# Altium PCB CRD25DA12N-FMC V2 (09-2024).PcbDoc (part 4 of 6) (continued)
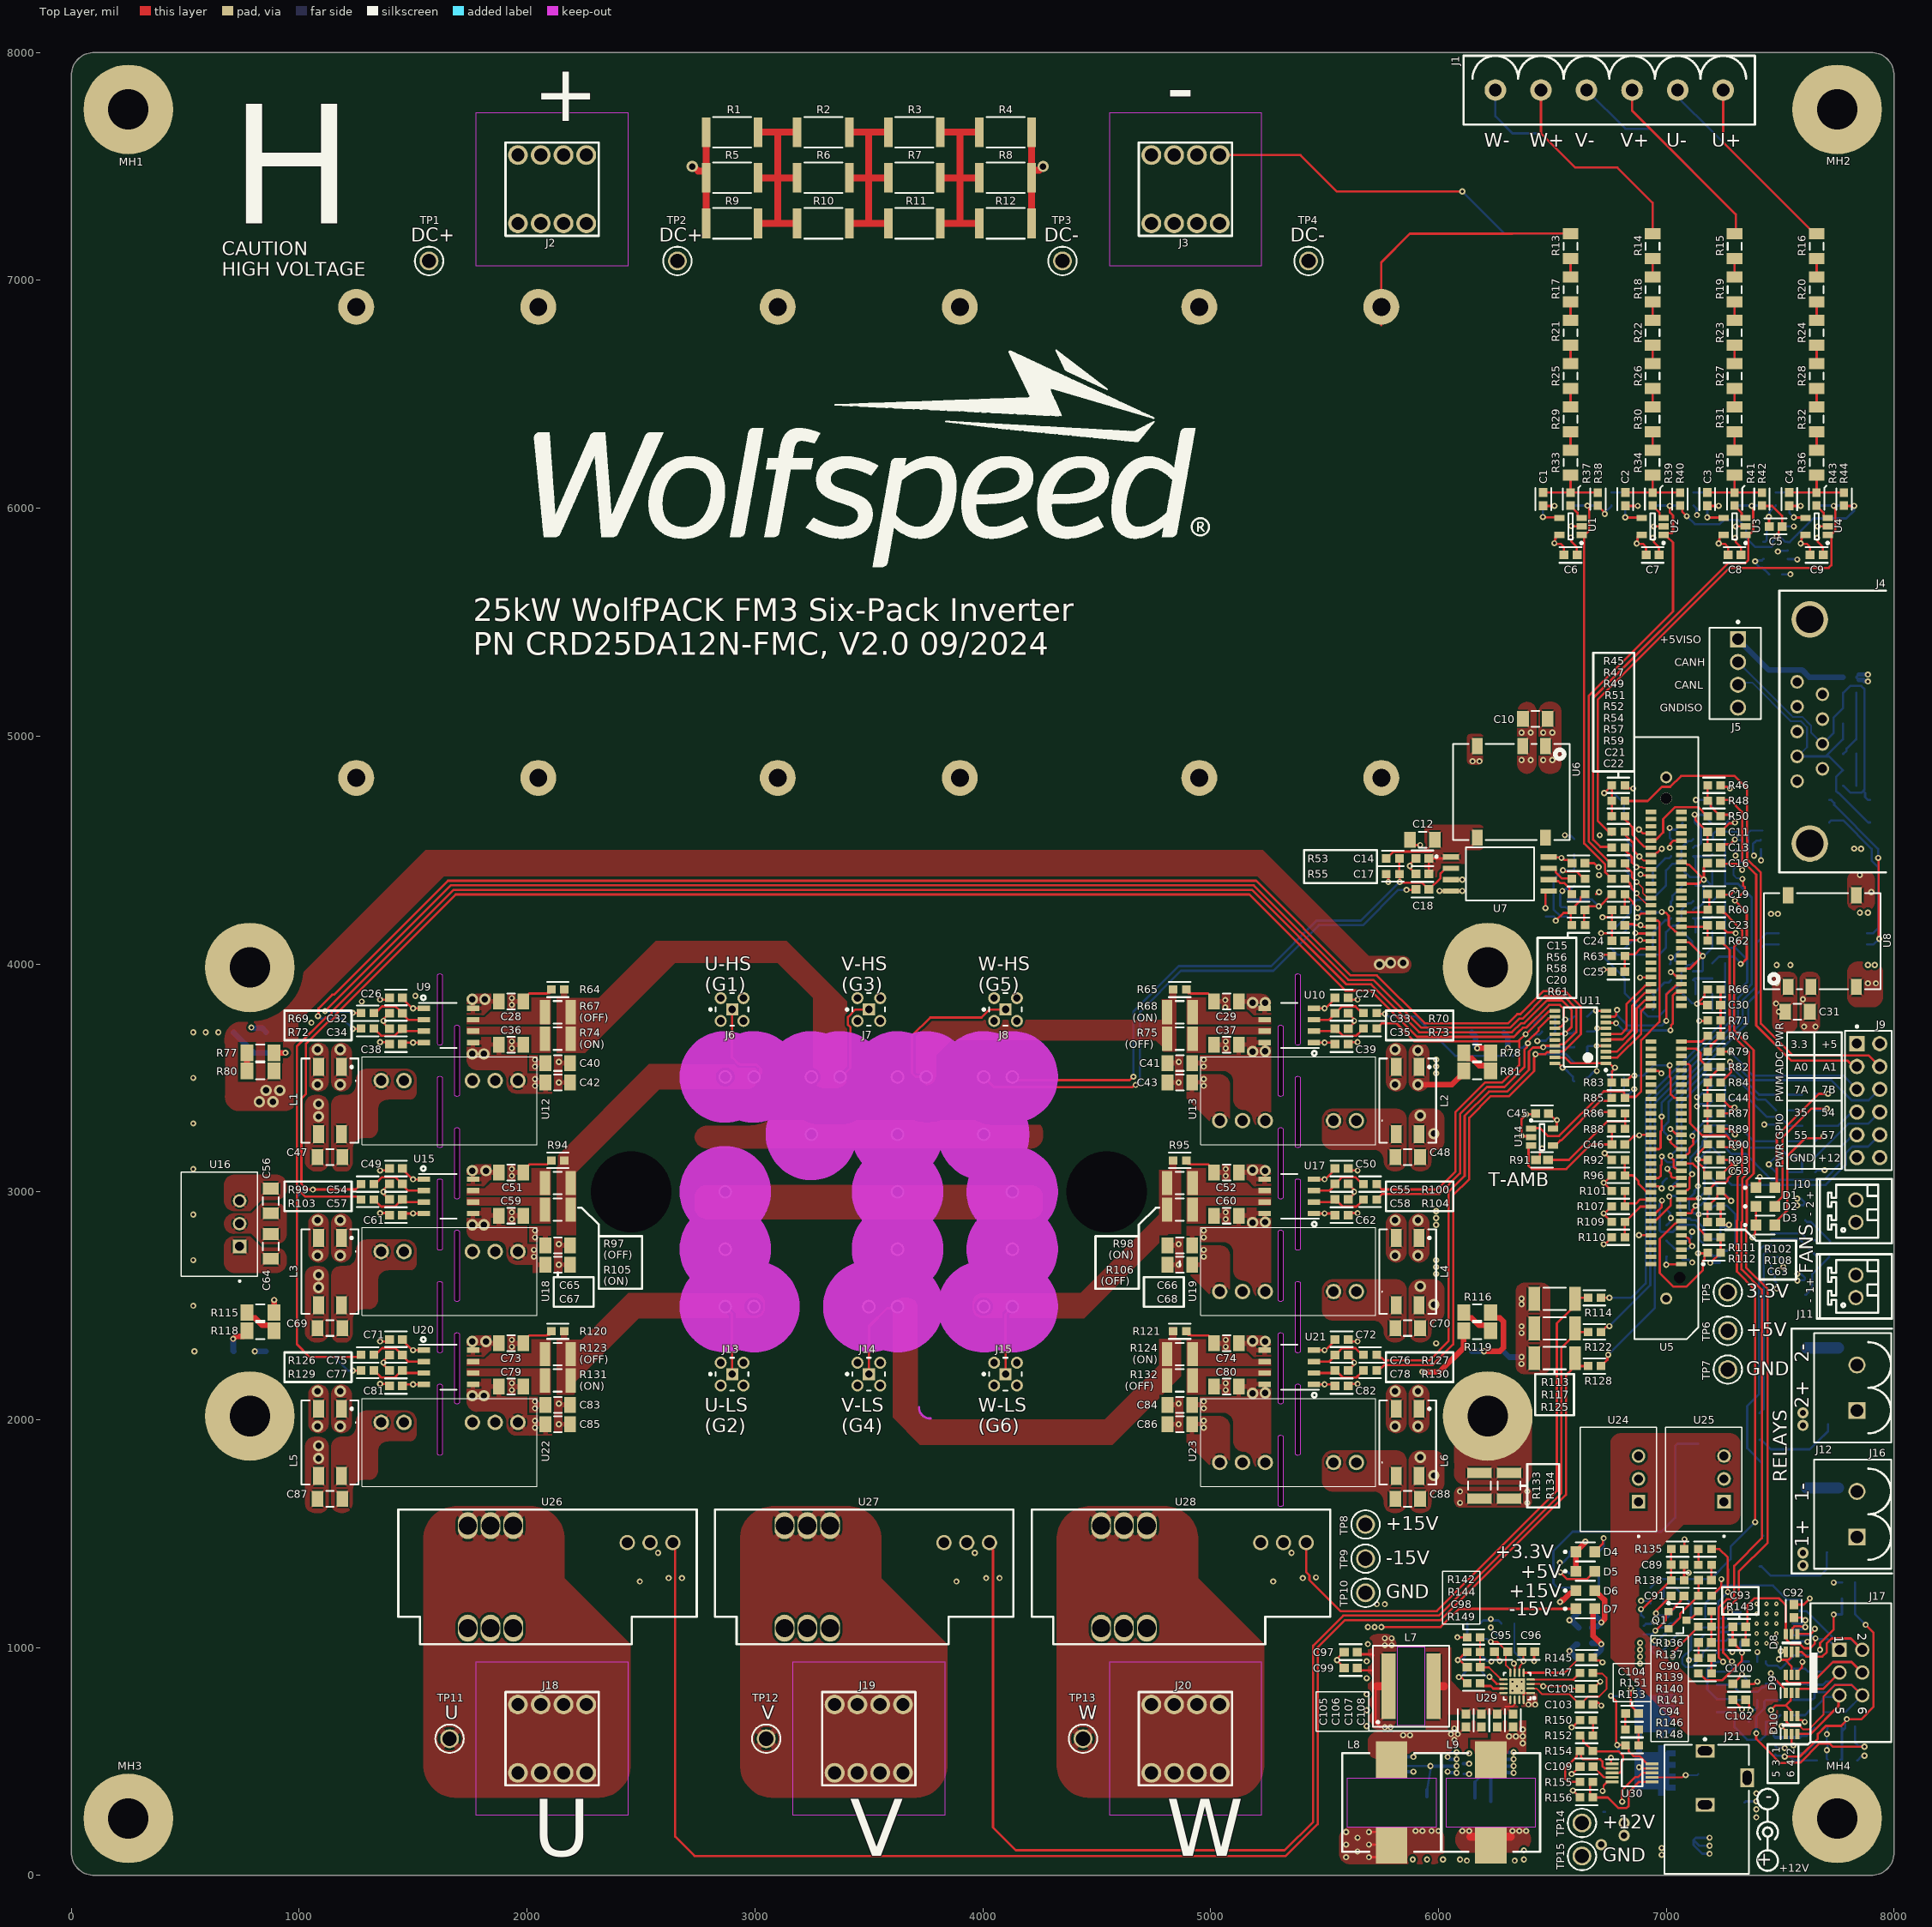
[diagram p0: Top Layer view]
## Nets (pads, with @x,y where several pads share a name; then routed paths per layer and width w, separated by ;. In a path a pad name is that pad's centre, name@x,y a point inside that pad or via, vN(x,y) a via of type N, cw(c..) or ccw(c..) an arc to the next point about the centre after c; other vN are vias at no path point) (continued)
  Bottom Layer w10: v1(7128.45,2938.7) 7131.7,2941.95 7152.87,2941.95 7171.73,2960.81 7171.73,2961.26 7187.52,2977.04 7187.52,2992.52 R238.2@7190,2995
ID0: R92.1 R96.2 U5.99 | length 218.9
  Top Layer w10: R92.1@6818.62,3140 R96.2@6818.62,3072 6852.48,3072 6878.69,3045.8 6878.69,3034.69 6910.7,3002.68 6925.7,3002.68 U5.99@6931.81,2996.57
ID1: R101.2 R107.1 U5.101 | length 199.4
  Top Layer w10: R101.2@6818.62,3004 R107.1@6818.62,2936 6831.58,2948.96 6867.2,2948.96 6884.58,2966.34 6928.98,2966.34 6932.87,2962.44 U5.101@6935,2964.57
ID2: R109.1 R110.2 U5.103 | length 210.1
  Top Layer w10: R110.2@6818.62,2800 R109.1@6818.62,2868 6819.53,2868 6886.37,2934.84 U5.103@6933.07,2934.84
IU: R125.2 R128.1 U26.9 | length 7014.5
  Top Layer w10: U26.9@2640,1460 2650,1450 2650,170 2735,85 5330,85 5470,225 5470,1000 5590,1120 6010,1120 6560,1670 6560,2195 6582.91,2217.91 6582.91,2235.39 R125.2@6602.52,2255 ; R125.2@6602.52,2254.61 6622.13,2235 R128.1@6656.38,2235
IU_FILT: C130.1 R128.2 R199.1 R200.1 R202.2 | length 2680.4
  Top Layer w10: R128.2@6713.62,2235 6714.53,2235 6741.75,2262.22 6741.75,2281.75 v1(6745,2285)
  Bottom Layer w10: v1(6745,2285) 6950,2490 6950,3389.85 7315,3754.85 7315,3851.72 7375,3911.72 7375,4291.6 7314.84,4351.77 7260.39,4351.77 R202.2@7258.62,4350 ; R202.2@7258.62,4343 R202.2@7258.62,4350 ; R199.1@7258.62,4548 7255.96,4545.33 7255.96,4515.04 7258.62,4512.38 R200.1@7258.62,4480 R200.1@7258.62,4480 C130.1@7258.58,4411 C130.1@7258.58,4411 R202.2@7258.62,4350
IU_MEAS: C22.1 R206.2 U5.33 | length 203.6
  Top Layer w10: C22.1@6823.7,4174.87 6853.45,4174.87 6858.16,4170.17 v1(6886.95,4170.17) ; v1@6886.74,4175 6898.71,4163.03 U5.33@6933.39,4163.03
  Bottom Layer w10: R206.2@6813.62,4139 6814.53,4139 6827.48,4151.96 6827.48,4152.86 6844.79,4170.17 v1(6886.95,4170.17)
IV: R117.2 R122.1 U27.9 | length 5685.2
  Top Layer w10: U27.9@4030,1460 4030,1444.51 4045,1429.51 4045,210 4145,110 5325,110 5450,235 5450,1008.28 5581.72,1140 5675,1140 6001.72,1140 6540,1678.28 6540,2315 6576.85,2351.85 6582.91,2351.85 6602.52,2371.46 6602.52,2385 R122.1@6656.38,2385
IV_FILT: C137.1 R122.2 R204.1 R205.1 R207.2 | length 2228.8
  Top Layer w10: R122.2@6713.62,2385 6714.53,2385 6736.27,2406.75 6746.75,2406.75 v1(6750,2410)
  Bottom Layer w10: v1(6750,2410) 6930,2590 6930,3398.14 7295,3763.14 7295,3860 7355,3920 7355,4018.81 7303.81,4070 R207.2@7258.62,4070 C137.1@7258.58,4139 C137.1@7258.58,4139 C137.1@7258.58,4139 R205.1@7258.62,4207 R204.1@7258.62,4275
IV_MEAS: C24.1 R209.2 U5.37 | length 208.3
  Top Layer w10: C24.1@6809.06,4104.85 v1(6885,4104.85) 6887.32,4102.52 6930.9,4102.52 U5.37@6934.21,4099.21
  Bottom Layer w10: R209.2@6818.62,4070 6819.53,4070 6854.37,4104.85 v1(6885,4104.85)
IW: R113.2 R114.1 U28.9 | length 2439.7
  Top Layer w10: U28.9@5420,1460 5420,1330.31 5434.15,1316.15 5434.15,1295.85 5570,1160 5993.43,1160 6520,1686.57 6520,2422.48 6579.37,2481.85 6584.37,2481.85 R113.2@6607.52,2505 ; R113.2@6607.52,2535 R114.1@6659.41,2535
IW_FILT: C143.1 R114.2 R210.1 R211.1 R212.2 | length 1771.7
  Top Layer w10: R114.2@6713.62,2535 v1(6750,2535)
  Bottom Layer w10: v1(6750,2535) 6846.72,2535 6910,2598.28 6910,3406.42 7258.62,3755.04 R212.2@7258.62,3800 R212.2@7258.62,3800 C143.1@7258.58,3868 R211.1@7258.62,3936 R211.1@7258.62,3936 R210.1@7258.62,4003
IW_MEAS: C25.1 R63.2 U5.39 | length 194.9
  Top Layer w10: C25.1@6818.58,3974 6818.58,4041.96 6818.62,4042 6861.55,4042 6886.48,4066.93 6935,4066.93 U5.39@6934.85,4066.78
LED_G: R231.2 U5.96 | length 697
  Top Layer w10: v1(7005,3101) 7005,3096.4 7021.24,3080.16 7021.24,3068.36 7028.31,3061.29 7066.46,3061.29 U5.96@7066.93,3060.83
  Bottom Layer w10: v1(7005,3101) 7009.6,3101 7018.1,3109.5 7039.5,3109.5 7086.5,3156.5 7086.5,3176.19 7143.5,3233.19 7143.5,3256.49 7177.96,3290.96 7282.04,3290.96 7292.49,3280.5 7324.5,3280.5 7383,3222 R231.2@7481.38,3222
LED_R: R222.2 U5.94 | length 890.4
  Top Layer w10: v1(7018.69,3158) 7018.69,3153.4 7032.31,3139.79 7032.31,3109.42 7038.75,3102.98 7042.5,3102.98 7053.15,3092.32 U5.94@7066.93,3092.32
  Bottom Layer w10: v1(7018.69,3158) 7046.5,3185.81 7046.5,3401.5 7185,3540 7293.43,3540 7407.43,3426 R222.2@7481.38,3426
LED_Y: R225.2 U5.95 | length 998.4
  Top Layer w10: U5.95@6933.07,3060.83 6933.48,3060.41 6966.29,3060.41 6976.5,3070.62 6976.5,3115.95 6980.19,3119.65 v1(6980.19,3155)
  Bottom Layer w10: v1(6980.19,3155) 7005.69,3129.5 7030.5,3129.5 7066.5,3165.5 7066.5,3391.5 7185,3510 7295,3510 7400,3405 7434.38,3405 R225.2@7481.38,3358
NetC1_1: C1.1 R33.2 R37.1 R38.2 | length 316.3
  Top Layer w10: C1.1@6460,6068.58 R37.1@6580,6068.62 R37.1@6580,6068.62 ; R33.2@6580,6144.88 R37.1@6580,6068.62 ; R38.2@6700,6068.62 R37.1@6580,6068.62
NetC2_1: C2.1 R34.2 R39.1 R40.1 | length 316.3
  Top Layer w10: C2.1@6820,6068.58 R39.1@6940,6068.62 R39.1@6940,6068.62 ; R34.2@6940,6144.88 R39.1@6940,6068.62 ; R40.1@7060,6068.62 R39.1@6940,6068.62
NetC3_1: C3.1 R35.2 R41.1 R42.1 | length 316.3
  Top Layer w10: C3.1@7180,6068.58 R41.1@7300,6068.62 R41.1@7300,6068.62 ; R35.2@7300,6144.88 R41.1@7300,6068.62 ; R42.1@7420,6068.62 R41.1@7300,6068.62
NetC4_1: C4.1 R36.2 R43.1 R44.1 | length 316.3
  Top Layer w10: C4.1@7540,6068.58 C4.1@7540,6068.58 R43.1@7660,6068.62 ; R36.2@7660,6144.88 R43.1@7660,6068.62 ; R44.1@7780,6068.62 R43.1@7660,6068.62
NetC20_1: C20.1 R59.1 R61.1 U34.1 | length 370
  Top Layer w10: R61.1@6638.62,4170 6638.62,4237.09 6653.39,4251.86 6658.3,4251.86 6659.25,4252.81 v1(6703.96,4252.81) v1@6699.36,4252.81 ; v1@6705.62,4251.15 6760.47,4306 R59.1@6761.38,4306
  Bottom Layer w10: U34.1@6568.23,4282.4 6674.37,4282.4 v1(6703.96,4252.81)
NetC20_2: C20.2 R58.1 R61.2 U34.4 | length 306.7
  Top Layer w10: v1(6514.85,4189.85) 6549.14,4224.14 6571.61,4224.14 6582.37,4234.9 6582.37,4238 6624.76,4280.39 6624.76,4293.04 6637.72,4306 R58.1@6638.62,4306 ; C20.2@6581.42,4238 6581.38,4237.96 6581.38,4170 R61.2@6582.28,4170
  Bottom Layer w10: U34.4@6471.77,4207.6 6507.8,4207.6 6511.59,4203.81 6511.59,4193.1 v1(6514.85,4189.85)
NetC30_1: C30.1 R66.2 R71.1 R76.1 R79.2 | length 296.8
  Top Layer w10: R79.2@7181.38,3616 7182.28,3616 7195.24,3628.96 7195.24,3641.52 7237.72,3684 R76.1@7238.62,3684 R71.1@7238.62,3752 R71.1@7238.62,3752 C30.1@7238.58,3820 C30.1@7238.58,3820 R66.2@7238.62,3888
NetC44_1: C44.1 R82.1 R84.2 R87.2 R89.1 | length 296.8
  Top Layer w10: R89.1@7181.38,3276 R87.2@7181.38,3344 R87.2@7181.38,3344 C44.1@7181.42,3412 C44.1@7181.42,3412 R84.2@7181.38,3480 7182.28,3480 7195.24,3492.96 7195.24,3505.52 7237.72,3548 R82.1@7238.62,3548
NetC46_1: C46.1 R88.2 U14.3 | length 581.3
  Top Layer w10: U14.3@6406.77,3204.6 6404.39,3204.6 6395.61,3195.82 6395.61,3114.39 6410,3100 6561.29,3100 6669.29,3208 C46.1@6761.42,3208 6761.42,3274.67 R88.2@6762.76,3276
NetC47_1: C47.1 L1.4 U12.1
NetC47_2: C47.2 L1.3 U12.2
  other v2: 1085,3330 1085,3385
NetC48_1: C48.1 L2.4 U13.1
  other v2: 5980,3255 5920,3335
NetC48_2: C48.2 L2.3 U13.2
NetC53_1: C53.1 R90.1 R93.2 R232.2 R234.1 | length 372.2
  Top Layer w10: v1@7135,3140 R93.2@7171.38,3140 ; C53.1@7180,3072.47 7166.61,3085.86 7166.61,3101.67 7140.91,3127.38 7140.91,3140.6 7138.25,3143.25 7138.25,3165.78 7180.47,3208 R90.1@7181.38,3208
  Bottom Layer w10: v1(7137.65,3142.65) 7142.25,3142.65 7157,3157.39 7157.39,3157.39 7181.04,3181.04 7187.52,3181.04 R232.2@7191.88,3185.41 ; R232.2@7201.38,3194 7202.28,3194 7215.24,3181.04 7215.24,3180.14 7244.99,3150.39 7244.99,3138.96 7257.94,3126 R234.1@7258.62,3126
NetC63_1: C63.1 R102.1 R108.2 R237.2 R238.1 | length 358.8
  Top Layer w10: C63.1@7181.42,2868 R108.2@7181.38,2936 R108.2@7181.38,2936 7182.28,2936 7224.76,2978.48 7224.76,2991.04 7237.72,3004 7239.53,3004 7283.22,2960.31 v1(7285,2960.31)
  Bottom Layer w10: R237.2@7201.38,3058 7201.61,3058 7214.56,3045.04 7214.56,3033.15 7233.32,3014.39 7257.72,2990 7259.53,2990 7285,2964.53 v1(7285,2960.31)
NetC69_1: C69.1 L3.4 U18.1
NetC69_2: C69.2 L3.3 U18.2 | length 4.1
  Top Layer w10: L3.3@1090,2502.36 L3.3@1092.89,2505.26
  other v2: 1085,2580 1085,2635
NetC70_1: C70.1 L4.4 U19.1
  other v2: 5980,2505 5920,2585
NetC70_2: C70.2 L4.3 U19.2
NetC87_1: C87.1 L5.4 U22.1
NetC87_2: C87.2 L5.3 U22.2
  other v2: 1085,1830 1085,1885
NetC88_1: C88.1 L6.4 U23.1
  other v2: 5980,1755 5920,1835
NetC88_2: C88.2 L6.3 U23.2
NetC89_1: C89.1 R135.1 R138.2 U40.3 | length 364.9
  Top Layer w10: v1(6889.16,1168.01) 6893.48,1168.01 7020.47,1295 R138.2@7021.38,1295 C89.1@7021.42,1363 C89.1@7021.42,1363 R135.1@7021.38,1432 R135.1@7021.38,1432
  Bottom Layer w10: v1(6889.16,1168.01) 6889.16,1141.18 6892.99,1141.18 U40.3@6901.77,1132.4
NetC90_1: C90.1 R137.2 | length 68
  Top Layer w10: C90.1@7198.58,1295 C90.1@7198.58,1295 R137.2@7198.62,1363
NetC90_2: C90.2 Q1.2 R139.2 | length 268.3
  Top Layer w10: Q1.2@7010.63,1082.6 7012.6,1082.6 7060.65,1130.65 7060.65,1147.18 7140.47,1227 R139.2@7141.38,1227 R139.2@7141.38,1227 C90.2@7141.42,1295
NetC91_2: C91.2 R250.1 U40.4 | length 259.2
  Top Layer w10: v1(6955,1150) 6958.25,1153.25 6958.25,1164.78 7018.42,1224.95 7018.42,1230 C91.2@7021.42,1227
  Bottom Layer w10: v1(6955,1150) 6959.6,1150 6968.42,1141.18 6998.31,1141.18 7007.09,1132.4 7015.87,1141.18 7015.87,1150.04 7037.52,1171.69 7037.52,1181.04 7050.47,1194 R250.1@7051.38,1194 ; U40.4@6983.23,1127.4 U40.4@6992.09,1127.4
NetC93_1: C93.1 R143.1 R148.1 U39.1 | length 454.3
  Top Layer w10: R148.1@7141.38,886 7154.33,873.04 7159.27,873.04 7168.76,863.56 7168.76,863.49 7175.2,857.04 7247.04,857.04 7332.39,942.39 v1(7332.39,977.67) ; C93.1@7291.42,1091 C93.1@7291.42,1091 R143.1@7291.38,1022 7292.28,1022 v1@7332.39,981.89
  Bottom Layer w10: U39.1@7325.83,1028.23 7325.83,1025.2 7325,1024.37 7325,989.66 7332.39,982.27 v1(7332.39,977.67)
NetC94_1: C94.1 R146.2 | length 68.5
  Top Layer w10: R146.2@7141.38,954 R146.2@7141.38,954 C94.1@7141.42,1022 ; C94.1@7154.92,1024.17 C94.1@7155.24,1023.86
NetC94_2: C94.2 R140.2 R141.1 | length 149.2
  Top Layer w10: R140.2@7189.73,1151.02 7197.72,1159 R140.2@7198.62,1159 R141.1@7198.62,1091 R141.1@7198.62,1091 C94.2@7198.58,1022
NetC95_1: C95.1 C168.1 U29.8 | length 246.2
  Top Layer w8: v1(6230,1025) 6258.63,1025 6302.63,981 C95.1@6303.58,981 6296.41,973.83 6296.41,922.27 6315.47,903.21 U29.8@6315.47,889.23
  Bottom Layer w8: C168.1@6183.58,1038 6213.11,1038 6226.11,1025 v1(6230,1025)
NetC96_1: C96.1 R254.2 R259.1 U29.6 | length 265.6
  Top Layer w8: 6354.84,909.23 6358.58,912.97 6358.58,920.12 6373.31,934.86 6373.31,974.11 C96.1@6366.42,981
  Bottom Layer w8: R254.2@6333.62,1106 R259.1@6333.62,1038 6333.62,979.69 v1(6373.31,940) ; v1@6370,939.47 v1@6370.91,939.47
NetC98_1: C98.1 R144.2 R262.1 | length 162.3
  Top Layer w10: C98.1@6126.42,913 6112.56,926.86 6111.61,926.86 6096.73,941.75 6088.25,941.75 v1(6085,945) 6107.04,967.04 6113.42,967.04 R144.2@6126.38,980
  Bottom Layer w10: v1(6085,945) 6088.25,948.25 6103.73,948.25 6125.47,970 R262.1@6126.38,970
NetC104_1: C104.1 R151.1 | length 71.2
  Top Layer w10: R151.1@6821.38,640 6820,641.38 6820,708.58 C104.1@6821.42,710
NetC105_1: C105.1 C106.1 C107.1 C108.1 L7.2 U29.12 U29.13 U29.14 | length 132.2
  Top Layer w8: 6025,830 6030,825 ; 6295,740 6325,740 6334.89,749.89 6334.89,770.49 U29.14@6335.16,770.77 U29.14@6335.16,757.18
  Top Layer w35: L7.2@5978.43,830 6025,830
NetC105_2: C105.2 C106.2 D20.2 D20.3 L8.1 R274.1
  other v1: 6070,595 5845,615 5875,615 6055,620 6085,620 6070,645
NetC107_2: C107.2 C108.2 D19.2 D19.3 L9.2 R273.1
  other v1: 6370,580 6310,610 6340,610 6370,610 6370,640
NetC109_1: C109.1 U30.4 | length 104.2
  Top Layer w8: C109.1@6678.58,478 6726.58,430 U30.4@6762.91,430
NetC113_1: C113.1 R177.2 R181.2 R182.1 R183.2 | length 376.3
  Bottom Layer w10: R183.2@7480,6068.62 R182.1@7548,6068.62 C113.1@7660,6068.58 ; R177.2@7660,6144.88 C113.1@7660,6068.58 ; R181.2@7780,6068.62 C113.1@7660,6068.58
NetC113_2: C113.2 R51.1 R181.1 U4.1 | length 2298
  Top Layer w10: R51.1@6761.38,4566 6699.39,4627.99 6699.39,5159.39 7278.5,5738.5 7713.5,5738.5 7725,5750 7725,5874.61 7712.62,5886.99 7717.01,5891.38 7731.58,5891.38 7741.87,5901.66 7741.87,5998.53 7735,6005.4 v1(7735,6010)
  Bottom Layer w10: C113.2@7660,6011.42 7779.96,6011.42 R181.1@7780,6011.38
NetC114_1: C114.1 R178.2 R184.2 R185.1 R186.2 | length 376.3
  Bottom Layer w10: R186.2@7120,6068.62 R185.1@7188,6068.62 C114.1@7300,6068.58 C114.1@7300,6068.58 ; R178.2@7300,6144.88 C114.1@7300,6068.58 ; R184.2@7420,6068.62 7419.96,6068.58 C114.1@7300,6068.58
NetC114_2: C114.2 R52.1 R184.1 U3.1 | length 2033.3
  Top Layer w10: R52.1@6757.6,4513.87 6711.13,4513.87 6679.39,4545.61 6679.39,5167.67 7270.22,5758.5 7346.31,5758.5 7359.39,5771.58 7359.39,5873.82 7350.61,5882.6 U3.1@7348.23,5882.6 7357.01,5891.38 7371.58,5891.38 7381.87,5901.66 7381.87,5998.53 7375,6005.4 v1(7375,6010)
  Bottom Layer w10: C114.2@7300,6011.42 C114.2@7300,6011.42 R184.1@7420,6011.38
NetC115_1: C115.1 R179.2 R187.2 R188.1 R189.2 | length 376.3
  Bottom Layer w10: R189.2@6760,6068.62 R188.1@6828,6068.62 C115.1@6940,6068.58 C115.1@6940,6068.58 ; R179.2@6940,6144.88 C115.1@6940,6068.58 ; R187.2@7060,6068.62 C115.1@6940,6068.58 C115.1@6940,6068.58
NetC115_2: C115.2 R54.1 R187.1 U2.1 | length 1941.6
  Top Layer w10: R54.1@6761.38,4442 6748.42,4454.96 6741.76,4454.96 6659.39,4537.33 6659.39,5175.96 7030,5546.57 7030,5849.09 7005.87,5873.23 7005.87,5873.82 6992.95,5886.73 6992.36,5886.73 6996.5,5890.87 7024.13,5890.87 7029.99,5896.72 7029.99,5967.61 7016.1,5981.5 7016.1,6008.9 v1(7015,6010)
  Bottom Layer w10: C115.2@6940,6011.42 7059.96,6011.42 R187.1@7060,6011.38
NetC116_1: C116.1 R180.2 R190.1 R191.1 | length 316.3
  Bottom Layer w10: R191.1@6460,6068.62 C116.1@6580,6068.58 C116.1@6580,6068.58 ; R180.2@6580,6144.88 C116.1@6580,6068.58 ; R190.1@6700,6068.62 6699.96,6068.58 C116.1@6580,6068.58
NetC116_2: C116.2 R57.1 R190.2 U1.1 | length 1840.4
  Top Layer w10: v1(6653.58,6011.42) 6653.58,6006.82 6661.87,5998.53 6661.87,5901.66 6651.58,5891.38 6637.01,5891.38 U1.1@6628.23,5882.6 6630.61,5882.6 6639.39,5873.82 6639.39,4529.04 6731.52,4436.91 6731.52,4402.96 6760.47,4374 R57.1@6761.38,4374
  Bottom Layer w10: C116.2@6580,6011.42 v1(6653.58,6011.42) 6699.96,6011.42 R190.2@6700,6011.38
NetC122_1: C122.1 R46.2 R48.2 R50.1 R197.1 | length 262.7
  Top Layer w10: R48.2@7181.38,4720 R46.2@7181.38,4790 ; R48.2@7183.66,4718.62 7195.24,4707.04 7195.24,4691.1 7236.34,4650 7237.24,4650 7242.24,4655 v1(7285,4655)
  Bottom Layer w10: C122.1@7258.58,4615 7259.53,4615 7273.39,4628.86 7273.39,4632.52 7281.75,4640.87 7281.75,4651.75 v1(7285,4655)
NetC124_1: C124.1 R45.1 R47.2 R49.1 R198.2 | length 357.2
  Top Layer w10: v1(6727.89,4750) 6727.89,4751.42 6748.72,4772.24 6760,4772.24 6757.76,4770 6761.38,4766.38 6761.38,4700 R49.1@6761.38,4634
  Bottom Layer w10: v1(6727.89,4750) 6767.72,4750 6812.72,4705 6813.62,4705 R198.2@6813.62,4684 6813.62,4635.04 6813.58,4635
NetC131_1: C131.1 R200.2 U33.3 | length 151.5
  Bottom Layer w10: U33.3@7118.23,4472.6 U33.3@7119.8,4472.6 ; C131.1@7128.58,4411 7128.58,4463.82 U33.3@7119.8,4472.6 ; R200.2@7201.38,4480 7193.98,4472.6 U33.3@7119.8,4472.6
NetC132_1: C132.1 R203.1 U33.4 | length 173.9
  Bottom Layer w10: R203.1@6941.38,4343 C132.1@6941.42,4411 C132.1@6941.42,4411 6942.37,4411 6995.19,4463.82 7012.99,4463.82 U33.4@7021.77,4472.6
NetC132_2: C132.2 R203.2 R206.1 U33.1 | length 614
  Bottom Layer w10: R206.1@6756.38,4139 6757.28,4139 6770.24,4151.96 6770.24,4152.86 6845,4227.62 6845,4255.31 6870.62,4280.92 6935.64,4280.92 6997.72,4343 R203.2@6998.62,4343 C132.2@6998.58,4411 C132.2@6998.58,4411 6999.53,4411 7028.09,4439.56 7040.71,4439.56 7065.87,4464.73 7065.87,4509.62 7094.88,4538.62 7109.45,4538.62 U33.1@7118.23,4547.4
NetC133_2: C133.2 R56.1 R201.1 U34.3 | length 491.2
  Top Layer w10: v1(6546.22,4411.45) 6550.82,4411.45 6557.27,4405 6607.75,4405 6616.24,4396.51 6616.24,4395.48 6624.76,4386.96 6629.76,4386.96 6638.62,4378.09 R56.1@6638.62,4374
  Bottom Layer w10: v1(6546.22,4411.45) 6505,4370.23 6505,4301.15 6505.41,4300.74 6505.41,4239.59 6536.5,4208.5 6562.33,4208.5 U34.3@6568.23,4202.6 ; v1@6548.55,4411.45 6595.97,4411.45 C133.2@6596.42,4411 ; C133.2@6596.38,4415 R201.1@6596.38,4480
NetC138_1: C138.1 R205.2 U35.3 | length 151
  Bottom Layer w10: U35.3@7118.23,4200.6 U35.3@7119.8,4200.6 ; C138.1@7128.58,4139 7128.58,4191.82 U35.3@7119.8,4200.6 ; R205.2@7201.38,4207 7194.98,4200.6 U35.3@7119.8,4200.6
NetC139_1: C139.1 R208.1 U35.4 | length 174.9
  Bottom Layer w10: R208.1@6941.38,4070 C139.1@6941.42,4139 C139.1@6941.42,4139 6942.37,4139 6995.19,4191.82 7012.99,4191.82 U35.4@7021.77,4200.6
NetC139_2: C139.2 R208.2 R209.1 U35.1 | length 538.2
  Bottom Layer w10: R209.1@6756.38,4070 6757.28,4070 6770.24,4057.04 6770.24,4056.14 6785.33,4041.04 6968.76,4041.04 6997.72,4070 R208.2@6998.62,4070 C139.2@6998.58,4139 C139.2@6998.58,4139 6999.53,4139 7028.09,4167.56 7040.71,4167.56 7065.87,4192.73 7065.87,4237.62 7094.88,4266.62 7109.45,4266.62 U35.1@7118.23,4275.4
NetC144_1: C144.1 R211.2 U37.3 | length 152.6
  Bottom Layer w10: C144.1@7128.58,3868 7128.58,3920.82 7119.8,3929.6 7118.23,3929.6 7124.63,3936 R211.2@7201.38,3936
NetC145_1: C145.1 R213.1 U37.4 | length 177.7
  Bottom Layer w10: R213.1@6941.38,3800 6946.04,3804.67 6946.04,3863.38 C145.1@6941.42,3868 6942.37,3868 6992.56,3918.18 7010.36,3918.18 U37.4@7021.77,3929.6
NetC145_2: C145.2 R63.1 R213.2 U37.1 | length 767.6
  Top Layer w10: v1(6715,4040) 6759.38,4040 R63.1@6761.38,4042
  Bottom Layer w10: v1(6715,4040) 6818.11,3936.89 6818.11,3870.9 6919.01,3770 6967.72,3770 6997.72,3800 R213.2@6998.62,3800 C145.2@6998.58,3868 C145.2@6998.58,3868 6999.53,3868 7028.09,3896.56 7045.75,3896.56 7047.05,3897.86 7047.86,3897.86 7065.87,3915.87 7065.87,3966.62 7094.88,3995.62 7109.45,3995.62 U37.1@7118.23,4004.4
NetC148_1: C148.1 R223.1 R226.1 R227.2 R228.2 | length 523.9
  Bottom Layer w10: R226.1@7258.62,3330 R223.1@7258.62,3398 ; C148.1@7260,3465 7258.62,3463.62 R223.1@7258.62,3398 ; R227.2@7596.38,3290 R228.2@7538.62,3290 7537.72,3290 7498.67,3329.04 7440.96,3329.04 7365,3405 7265.62,3405 R223.1@7258.62,3398
NetC149_1: C149.1 R229.1 R233.2 R235.1 R236.2 | length 514.1
  Bottom Layer w10: R229.1@7258.62,3262 7259.53,3262 7272.48,3249.04 7272.48,3241.11 7290.1,3223.5 7323.5,3223.5 7325,3225 7356.96,3193.04 7498.58,3193.04 7537.63,3154 C149.1@7538.58,3154 R233.2@7596.38,3154 R235.1@7596.38,3086 R236.2@7538.62,3086
NetC165_2: C165.2 R252.2 R264.2 U41.3 | length 581.6
  Top Layer w10: v1(7675,990) 7675,1019.69 7735,1079.69 v1(7735,1145)
  Bottom Layer w10: U41.3@7437.4,938.23 7437.4,929.37 7446.82,919.96 7488.42,919.96 R264.2@7501.38,907 7502.28,907 7560.44,965.16 7660.16,965.16 7660.16,970.56 7675,985.4 v1(7675,990) ; v1(7735,1145) 7770.38,1145 R252.2@7771.38,1146 C165.2@7771.42,1215 C165.2@7771.42,1215
NetC166_1: C166.1 R247.2 R250.2 R253.1 | length 285.6
  Bottom Layer w10: C166.1@6988.58,1194 R247.2@6988.62,1263 7038.76,1262.96 7107.72,1194 R250.2@7108.62,1194 R253.1@7108.62,1126
NetC167_1: C167.1 R136.1 R249.1 U39.5 | length 472.3
  Top Layer w10: R136.1@7198.62,1432 7233,1432 7270,1395 7270,1343.99 7270.39,1343.6 7270.39,1281.7 7270,1281.31 v1(7270,1243.34)
  Bottom Layer w10: v1(7270,1243.34) 7228.58,1201.92 C167.1@7228.58,1126 7230.38,1127.8 7323.04,1127.8 U39.5@7325.83,1130.59
NetC168_2: C168.2 R255.2 | length 68
  Bottom Layer w10: C168.2@6126.42,1038 C168.2@6126.42,1038 R255.2@6126.38,1106
NetC169_1: C169.1 R258.2 R261.1 U39.2 U39.4 | length 712.5
  Bottom Layer w10: U39.2@7325.83,1053.82 7285.39,1053.82 7260.61,1029.04 7211.42,1029.04 7160.61,978.24 7160.61,961.33 7114.28,915 7085,915 7070.52,929.48 7070.52,956.77 7087.21,973.46 7091.18,973.46 7107.72,990 R261.1@7108.62,990 R258.2@7108.62,1058 7109.53,1058 7139.51,1087.98 7262.98,1087.98 7280,1105 U39.4@7325.83,1105
NetC171_1: C171.1 U29.10 | length 127.1
  Top Layer w8: 6255.76,839.84 U29.10@6285.77,839.84
  Top Layer w10: v1(6223.84,871.76) 6255.76,839.84
  Bottom Layer w10: C171.1@6183.58,900 6184.53,900 6209.51,875.02 6220.59,875.02 v1(6223.84,871.76)
NetC174_1: C174.1 R266.2 R267.2 U41.4 | length 317.6
  Bottom Layer w10: R266.2@7222,836.38 7289.09,836.38 7320.47,805 7400.63,805 7419.76,824.13 7428.62,824.13 7437.4,832.91 U41.4@7437.4,841.77 7498.61,841.77 R267.2@7501.38,839 R267.2@7498.8,836.42
NetC174_2: C174.2 R60.1 R266.1 U41.1 | length 3750.1
  Top Layer w10: R60.1@7238.62,4236 7251.58,4223.04 7257.26,4223.04 7295.38,4184.92 7333.5,4146.81 7333.5,4113.5 7298,4078 7298,3707.36 7383.5,3621.86 7383.5,3079.64 7353.5,3049.64 7353.5,2860.71 7350,2857.21 7350,2668.28 7445,2573.28 7445,1460 7318.5,1333.5 7318.5,1219.91 7290.09,1191.5 7275.18,1191.5 7250,1166.32 7250,977.14 v1(7288.42,938.72)
  Bottom Layer w10: R266.1@7222,893.62 C174.2@7290,893.58 C174.2@7290,893.58 7290,894.53 C174.2@7295.25,899.78 ; v1(7288.42,938.72) 7288.42,906.62 C174.2@7295.25,899.78 ; U41.1@7362.6,938.23 7333.7,938.23 C174.2@7295.25,899.78
NetC177_1: C177.1 R270.2 R271.2 U42.4 | length 440.5
  Bottom Layer w10: R270.2@7222,716.38 C177.1@7290,716.42 C177.1@7290,716.42 7300,706.42 7300,650 7355,595 7415.31,595 7437.4,617.1 U42.4@7437.4,673.54 7471.02,673.54 7500.47,703 R271.2@7501.38,703
NetC177_2: C177.2 R62.1 R270.1 U42.1 | length 3735.3
  Top Layer w10: R62.1@7238.62,4100 7239.53,4100 7278,4061.53 7278,3699.07 7363.5,3613.57 7363.5,3087.92 7333.5,3057.92 7333.5,2869 7330,2865.5 7330,2660 7420,2570 7420,1480 7298.5,1358.5 7298.5,1228.19 7281.81,1211.5 7266.9,1211.5 7230,1174.6 7230,957.63 7249.75,937.88 v1(7249.75,937.08)
  Bottom Layer w10: v1(7249.75,937.08) 7227.08,937.08 7225,935 7211.01,935 7180,903.99 7180,816.53 7222,774.53 R270.1@7222,773.62 R270.1@7222,773.62 C177.2@7290,773.58 7293.58,770 U42.1@7362.6,770
NetC181_2: C181.2 R268.2 R272.2 U42.3 | length 930.9
  Top Layer w10: v1(7395,623.5) 7395,598.78 7449.52,544.26 7500.79,492.99 7531.81,492.99 7533.81,495 7588.59,495 7672.09,578.5 7716.81,578.5 7730.31,565 v1(7870,565)
  Bottom Layer w10: v1(7395,623.5) 7395,696.67 7430.69,732.36 7430.69,763.29 U42.3@7437.4,770 7500.38,770 R268.2@7501.38,771 ; R272.2@7828.62,652 R272.2@7828.62,652 C181.2@7828.58,583 7842.44,569.14 7861.26,569.14 7865.4,565 v1(7870,565)
NetC185_1: C185.1 R273.2
NetC194_1: C194.1 R274.2
NetD1_2: D1.2 R221.1 | length 590.3
  Top Layer w10: D1.2@7476.34,3018 7485,3026.66 7485,3245 7670,3430 v1(7710,3430)
  Bottom Layer w10: R221.1@7653.62,3426 7657.62,3430 v1(7710,3430)
NetD2_2: D2.2 R224.1 | length 630.9
  Top Layer w10: D2.2@7461.34,2930 7510,2978.66 7510,2988.86 7510.96,2989.82 7510.96,3046.18 7510,3047.14 7510,3238.08 7636.92,3365 v1(7705,3365)
  Bottom Layer w10: R224.1@7653.62,3358 7693.4,3358 7700.4,3365 v1(7705,3365)
NetD3_2: D3.2 R230.1 | length 584
  Top Layer w10: D3.2@7461.34,2848 7530.96,2917.62 7530.96,3155.96 7610,3235 7676.81,3235 7686.11,3244.29 v1(7690.71,3244.29)
  Bottom Layer w10: R230.1@7653.62,3222 7666.58,3234.96 7676.77,3234.96 7686.81,3245 v1@7695,3245
NetD4_2: D4.2 R245.2 | length 143.9
  Top Layer w10: D4.2@6685,1425 6691.34,1425 6721.75,1455.41 6721.75,1476.75 v1(6725,1480)
  Bottom Layer w10: R245.2@6704.1,1420 6725,1440.9 v1(6725,1480)
NetD5_2: D5.2 R246.2 | length 224.6
  Top Layer w10: v1@6538.25,1333.25 v1(6535,1330) 6564.62,1300.38 6651.72,1300.38 D5.2@6686.34,1335
  Bottom Layer w10: v1(6535,1330) 6570,1330 R246.2@6575,1325
NetD6_2: D6.2 R251.1 R256.1 | length 283.5
  Top Layer w25: D6.2@6690,1255 6690,1246.34 6726.34,1210 6730,1210 6730,1125.54 6715,1110.54 v1(6715,1110)
  Bottom Layer w25: R256.1@6673.62,1087 6679.08,1092.46 6697.46,1092.46 v1(6715,1110) 6714.62,1110.38 6714.62,1114.91 6674.53,1155 R251.1@6673.62,1155
NetD7_2: D7.2 R260.2 R263.2 | length 297.7
  Top Layer w25: D7.2@6686.34,1170 6679,1162.66 6679,1051.12 6715,1015.12 v1(6715,1015)
  Bottom Layer w25: R263.2@6673.62,951 6679.08,956.46 6679.98,956.46 6715,991.47 v1(6715,1015) 6712.12,1017.88 6674.74,1017.88 R260.2@6673.62,1019
NetD11_2: D11.2 R78.2 | length 149.9
  Top Layer w25: v1(6170,3630) 6170.38,3629.62 6212.95,3629.62 6230,3612.57 R78.2@6230,3610
  Bottom Layer w25: D11.2@6145.67,3700 6162.7,3682.97 6162.7,3637.84 6170,3630.54 v1(6170,3630)
NetD12_2: D12.2 R77.2 | length 315.8
  Top Layer w25: R77.2@890,3610 v1(940,3610)
  Bottom Layer w25: D12.2@712.6,3700 712.6,3698.03 800.63,3610 v1(940,3610)
NetD13_2: D13.2 J10.1 Q3.3
NetD14_2: D14.2 J11.1 Q4.3
NetD15_2: D15.2 R116.2 | length 348.9
  Top Layer w25: v1(6200,2300) 6200.38,2300.38 6270.36,2300.38 6285,2315.03 6285,2431.28 6270.36,2445.92 6245.26,2445.92 6240,2451.18 R116.2@6240,2485
  Bottom Layer w25: D15.2@6145.67,2300 v1(6200,2300)
NetD16_2: D16.2 R118.2 | length 138.7
  Top Layer w25: v1(710,2355) 710.54,2355 721.46,2365.92 754.74,2365.92 765,2376.18 R118.2@765,2395
  Bottom Layer w25: v1(710,2355) 710.38,2354.62 710.38,2302.22 D16.2@712.6,2300
NetD17_2: D17.2 J12.2 Q5.4 | length 140
  Bottom Layer w50: Q5.4@7615,2315.24 7755,2315.24
NetD18_2: D18.2 J16.2 Q6.4 | length 140.2
  Bottom Layer w8: 7755,1700 7755,1700.24
  Bottom Layer w50: Q6.4@7615,1700.24 7755,1700.24
NetHS1_3: HS1.3 R133.2 R134.2
NetJ9_3: J9.3 R48.1 | length 1595.6
  Top Layer w10: R48.1@7238.62,4720 7280,4720 7333.5,4666.5 7333.5,4453.22 7395,4391.72 7395,3730 7549.96,3575.04 7796.56,3575.04 7821.6,3550 J9.3@7837,3550
NetJ9_4: J9.4 R47.1 | length 2260.4
  Top Layer w10: R47.1@6819.51,4715 6918.74,4715 6981.06,4777.32 7017.14,4777.32 7064.82,4825 7300,4825 7353.7,4771.3 7353.7,4545.4 7355,4544.1 7355,4460 7415,4400 7415,3738.28 7554.82,3598.46 7888.54,3598.46 J9.4@7937,3550
NetJ9_5: J9.5 R79.1 | length 678.5
  Top Layer w10: R79.1@7239.53,3616 7240.53,3615 v1(7280,3615) ; J9.5@7827.68,3450 J9.5@7837,3450
  Bottom Layer w10: v1(7280,3615) 7331.63,3563.37 7331.63,3558.37 7380,3510 7777,3510 J9.5@7837,3450
NetJ9_6: J9.6 R84.1 | length 857
  Top Layer w10: R84.1@7238.62,3480 7239.53,3480 7283.87,3524.34 7283.87,3566.86 v1(7280.61,3570.11)
  Bottom Layer w10: v1(7280.61,3570.11) 7285.21,3570.11 7295.32,3560 7301.72,3560 7371.72,3490 7725,3490 7813.46,3401.54 7888.54,3401.54 J9.6@7937,3450
NetJ9_7: J9.7 R227.1 | length 208.3
  Bottom Layer w10: R227.1@7653.62,3290 7755,3290 7804.11,3339.11 7826.11,3339.11 J9.7@7837,3350 J9.7@7836.95,3350.05
NetJ9_8: J9.8 R233.1 | length 364.6
  Bottom Layer w10: R233.1@7653.62,3154 7654.53,3154 7798.99,3298.46 7885.46,3298.46 J9.8@7937,3350
NetJ9_9: J9.9 R232.1 | length 760.9
  Bottom Layer w10: R232.1@7258.62,3194 7259.53,3194 7272.48,3181.04 7272.48,3180.14 7286.12,3166.5 7348.81,3166.5 7438.5,3076.81 7438.5,3076.51 7462.71,3052.3 7692.6,3052.3 7768.19,3127.88 7768.19,3198.19 7804.23,3234.23 7805.83,3234.23 7821.6,3250 J9.9@7837,3250
NetJ9_10: J9.10 R237.1 | length 811.8
  Bottom Layer w10: R237.1@7258.62,3058 7259.53,3058 7272.48,3045.04 7272.48,3044.14 7286.62,3030 7700,3030 7788.54,3118.54 7788.54,3170.07 7816.93,3198.46 7885.46,3198.46 J9.10@7937,3250
NetQ1_3: Q1.3 R140.1 | length 88.5
  Top Layer w10: Q1.3@7091.34,1120 Q1.3@7089.37,1120 7100.12,1130.75 7112.22,1130.75 7140.47,1159 R140.1@7141.38,1159 R140.1@7128.42,1146.04
NetQ3_1: Q3.1 R241.2 | length 146.3
  Bottom Layer w10: Q3.1@7610,2875 7618.15,2866.85 7634.87,2866.85 7717.72,2784 R241.2@7718.62,2784
NetQ4_1: Q4.1 R242.2 | length 211.8
  Bottom Layer w10: Q4.1@7610.63,2547.6 7612.6,2547.6 7623.35,2558.35 7623.35,2560.31 7640,2576.97 7640,2638.28 7715,2713.28 R242.2@7715,2715
NetQ5_1: Q5.1 R243.2 | length 380.6
  Bottom Layer w10: R243.2@7410,1910.9 7417.92,1910.9 7458.82,1870 7630,1870 7665,1905 7665.94,1905 7710,1949.06 Q5.1@7710,1980
NetQ6_1: Q6.1 R244.2 | length 396.7
  Bottom Layer w10: R244.2@7410,1355.9 7417.92,1355.9 7458.82,1315 7675,1315 7705,1345 ; 7703.89,1345 7703.89,1415.51 Q6.1@7705.16,1416.77
NetQ7_4: Q7.4 Q8.4 R153.2 U30.10 | length 503.8
  Top Layer w10: v1(6756.95,788.05) 6780,765 6780,586.36 ; v1(6785,572) 6819.38,572 R153.2@6821.38,570 6821.75,570 6834.7,557.04 6834.7,545.3 6856.34,523.66 6883.41,523.66 6917.7,489.37 U30.10@6931.5,489.37
  Bottom Layer w10: v1(6756.95,788.05) 6758.47,786.53 6810.32,786.53 Q7.4@6811.3,787.5 ; v1(6785,572) 6785,567.4 6790.55,561.85 6790.55,542.01 6797.56,535 Q8.4@6804.88,535